# Altium PCB 400501.PcbDoc (part 2 of 4) (continued)
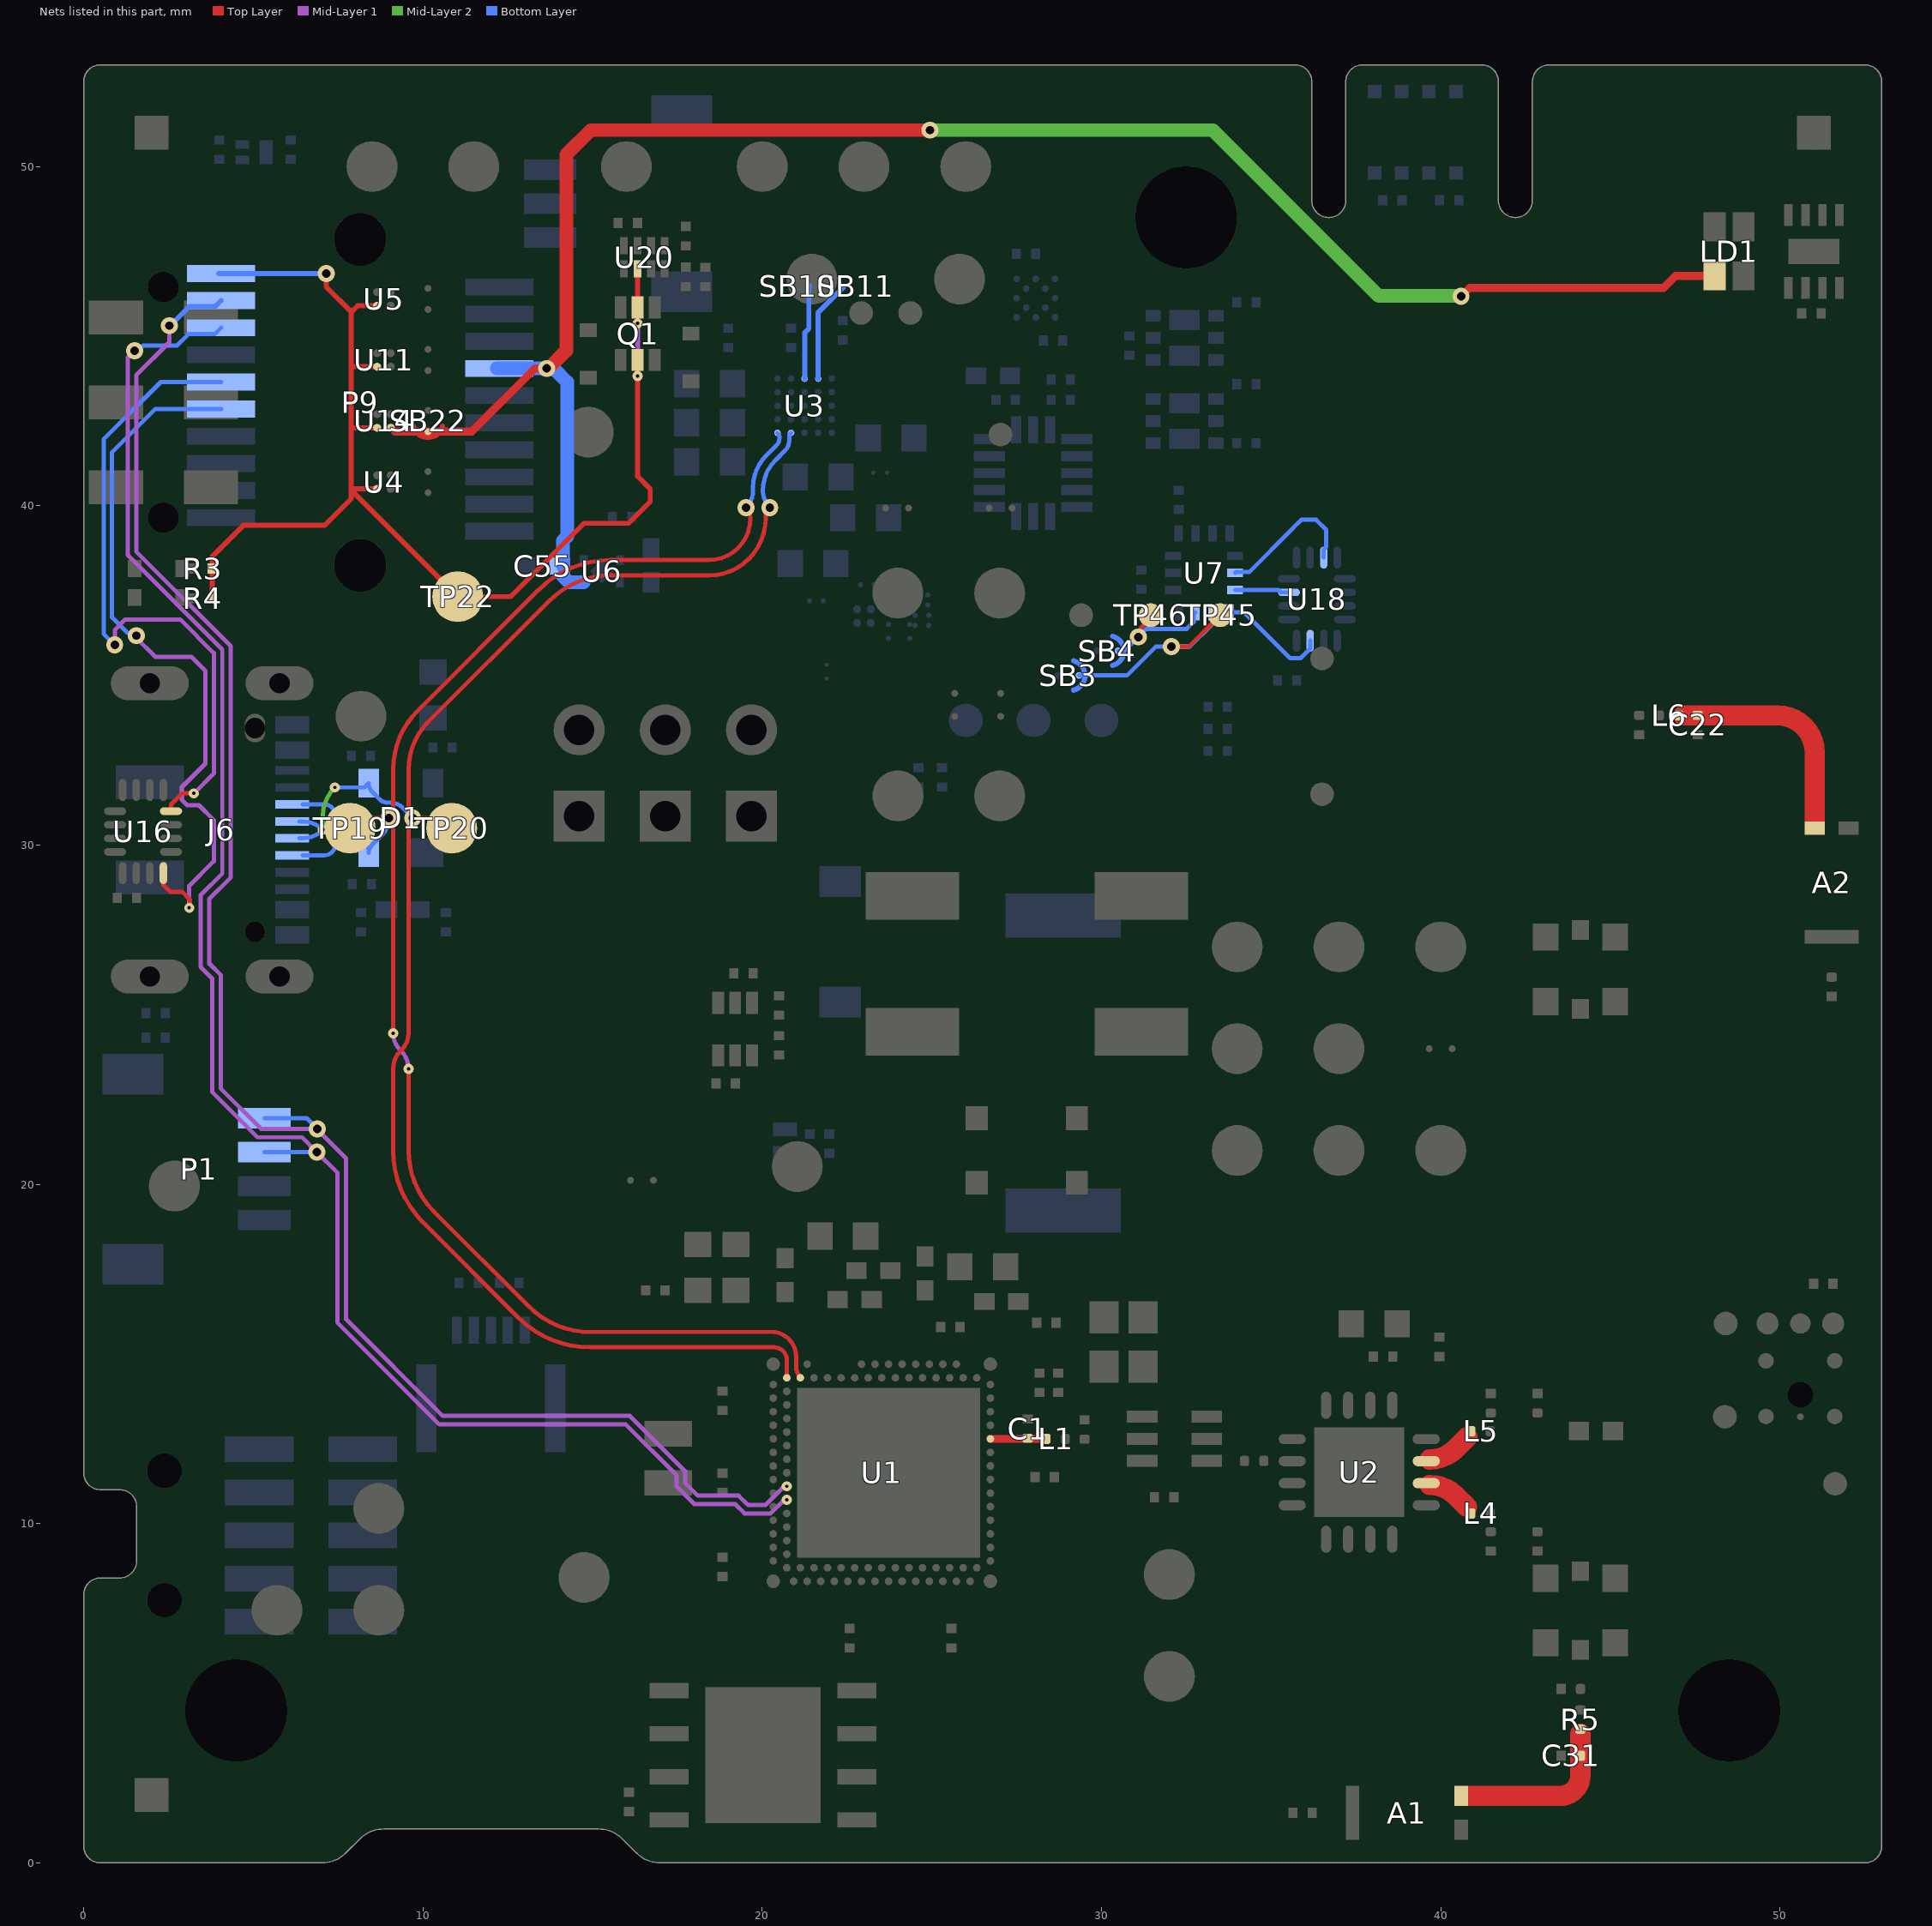
[diagram p4: the nets of this part, all layers, seen from the top]
## Part data (continued)
R48: library part R0201-10M, "Resistor, ±1%, 0.05W", Manufacturer=N.A., Part number IPS=00000001426, Part number NEMS=100100105, Artikkelnr Noca=N.A., Author=rsk, Component Class=Resistors, Component Status=Active, ComponentLink1Description=Datasheet, ComponentLink1URL=N.A., ComponentLink2Description="Supplier link", ComponentLink2URL=N.A., Footprint Doc=0201, HelpURL=N.A., LatestRevisionDate=2014-11-13, Manufacturer Part Number=N.A., Note="Chip Res 1%", Pad Count=2, Part Number=R0201-10M, Part number Norautron=N.A., PartId=100100105, Published=2014-11-13, Supplier 1=N.A., Supplier 2=N.A., Supplier Part Number 1=N.A., Supplier Part Number 2=N.A.
SB1 SB2 SB6 SB7 SB8 SB9 SB10 SB11: library part "Solderbridge Shorted", "Shorted Solderbridge", Manufacturer=N.A., Part number NEMS=100500459, Artikkelnr Noca=N.A., Author=rsk, Component Class=Connectors, Component Status=Active, ComponentLink1Description=Datasheet, ComponentLink1URL=N.A., ComponentLink2Description="Supplier link", ComponentLink2URL=N.A., Footprint Doc=Solderbridge_Shorted, HelpURL=N.A., LatestRevisionDate=2012-08-07, Manufacturer Part Number=N.A., Note=N.A., Pad Count=2, Part Number="Solderbridge Shorted", Part number IPS=N.A., Part number Norautron=N.A., PartId=100500459, Published=2012-08-07, Supplier 1=N.A., Supplier 2=N.A., Supplier Part Number 1=N.A., Supplier Part Number 2=N.A., System=Connector
SB3 SB4 SB5 SB20 SB21 SB22: Manufacturer=N.A., Part number NEMS=100500458, Artikkelnr Noca=N.A., Author=rsk, Component Class=Connectors, Component Status=Active, ComponentLink1Description=Datasheet, ComponentLink1URL=N.A., ComponentLink2Description="Supplier link", ComponentLink2URL=N.A., Footprint Doc=Solderbridge, HelpURL=N.A., LatestRevisionDate=2009-12-14, Manufacturer Part Number=N.A., Note=N.A., Pad Count=2, Part Number=Solderbridge, Part number IPS=N.A., Part number Norautron=N.A., PartId=100500458, Published=2009-12-14, Supplier 1=N.A., Supplier 2=N.A., Supplier Part Number 1=N.A., Supplier Part Number 2=N.A., System=Connector
SW1: library part Switch-Slide-RA-J-Lead-DPDT-8.5x3.5mm_Copal, "SMD slide Switch (ON-ON)", Manufacturer="Copal Electronics Inc", Manufacturer Part Number=CL-SB-22A-11T, Part number IPS=00000007811, Part number NEMS=101500038, Part number Norautron=26470017, Supplier Part Number 1=563-1340-1-ND, Artikkelnr Noca=N.A., Author=rsk, Component Class=Switches, Component Status=Active, ComponentLink1Description=Datasheet, ComponentLink1URL=N.A., ComponentLink2Description="Supplier link", ComponentLink2URL=N.A., Footprint Doc=Switch-Slide-RA-J-Lead-DPDT-8.5x3.5mm, HelpURL=http://www.nidec-copal-electronics.com/e/catalog/switch/cl-sb.pdf, LatestRevisionDate=2017-02-01, Note=N.A., Pad Count=6, Part Number=Switch-Slide-RA-J-Lead-DPDT-8.5x3.5mm_Copal, PartId=101500038, Published=2017-02-01, Supplier 1=Digi-Key, Supplier 2=Avnet, Supplier Part Number 2=CL-SB-22A-11T
SW2: library part "KMT021 NGJ LHS", "Nano-Miniature Top Actuated Tact Switch with extended life 3.0x2.6mm", Manufacturer=C&K, Part number IPS=00000005416, Part number NEMS=101500039, Part number Norautron=N.A., Supplier Part Number 1=CKN10289CT-ND, Artikkelnr Noca=N.A., Author=rsk, Component Class=Switches, Component Status=Active, ComponentLink1Description=Datasheet, ComponentLink1URL=N.A., ComponentLink2Description="Supplier link", ComponentLink2URL=N.A., Footprint Doc=SW_TACTILE_2.6x3.0MM_4-LEAD, HelpURL=http://media.digikey.com/pdf/Data%20Sheets/C&K/KMT_0xx_NGJ_LHS_Drawing.pdf, LatestRevisionDate=2013-08-12, Manufacturer Part Number="KMT021 NGJ LHS", Note=N.A., Pad Count=4, Part Number="KMT021 NGJ LHS", PartId=101500039, Published=2013-08-12, Supplier 1=Digi-Key, Supplier 2=Farnell, Supplier Part Number 2=190-8260
SW3: library part Switch-PB-6.2x6.3mm-SMD, "Tactile Switch, SPNO, SMD, 160gf, 6.2x6.3x2.5mm", Manufacturer=Dailywell, Manufacturer Part Number=TS604VM1-025BR-R, Part number IPS=00000007812, Part number NEMS="101500001, 101500133", Part number Norautron=N.A., Artikkelnr Noca=50019106, Author=rsk, Component Class=Switches, Component Status=Active, ComponentLink1Description=Datasheet, ComponentLink1URL=N.A., ComponentLink2Description="Supplier link", ComponentLink2URL=N.A., Footprint Doc=Switch-PB-6.2x6.3mm-SMD, HelpURL=\\hizz\pro\app9717\Datasheet\switches\Dailywell\TS604VM1-025BR-R.pdf, LatestRevisionDate=2016-04-21, Note=N.A., Pad Count=4, Part Number=Switch-PB-6.2x6.3mm-SMD, PartId=101500001, Published=2010-02-01, Supplier 1=Cabcon, Supplier 2=Mouser, Supplier Part Number 1=TS604VM1-025BR-R, Supplier Part Number 2=688-SKHUALE010
TP1 TP2 TP3 TP4 TP5 TP9 TP10 TP11 TP12 TP13 TP14 TP15 TP16 TP17 TP18 TP19 TP20 TP21 TP22 TP23 TP24 TP25 TP26 TP32 TP33 TP37 TP38 TP39 TP40 TP41 TP42 TP43 TP44: library part TP_SMD_Ø1.5MM, "1.5mm circular SMD testpad", Manufacturer="Nordic Semiconductor", Manufacturer Part Number=N.A., Part number NEMS=100500477, Artikkelnr Noca=N.A., Author=rsk, Component Class=Connectors, Component Status=Active, ComponentLink1Description=Datasheet, ComponentLink1URL=N.A., ComponentLink2Description="Supplier link", ComponentLink2URL=N.A., Footprint Doc=TP_SMD_Ø1.5mm, HelpURL=N.A., LatestRevisionDate=2021-03-05, Note=N.A., Pad Count=1, Part Number=TP_SMD_Ø1.5MM, Part number IPS=N.A., Part number Norautron=N.A., PartId=100500477, Published=2016-06-02, Supplier 1=N.A., Supplier 2=N.A., Supplier Part Number 1=N.A., Supplier Part Number 2=N.A., System=Connector
TP6 TP7 TP8: library part TP_SMD_Ø1.0MM, "1.0mm circular SMD testpad", Manufacturer="Nordic Semiconductor", Manufacturer Part Number=N.A., Part number NEMS=100500475, Artikkelnr Noca=N.A., Author=rsk, Component Class=Connectors, Component Status=Active, ComponentLink1Description=Datasheet, ComponentLink1URL=N.A., ComponentLink2Description="Supplier link", ComponentLink2URL=N.A., Footprint Doc=TP_SMD_Ø1.0mm, HelpURL=N.A., LatestRevisionDate=2021-03-05, Note=N.A., Pad Count=1, Part Number=TP_SMD_Ø1.0MM, Part number IPS=N.A., Part number Norautron=N.A., PartId=100500475, Published=2013-06-11, Supplier 1=N.A., Supplier 2=N.A., Supplier Part Number 1=N.A., Supplier Part Number 2=N.A., System=Connector
TP27 TP28 TP29 TP30 TP31 TP34 TP35 TP36 TP45 TP46 TP47: library part TP_SMD_Ø0.7MM, "0.7mm circular SMD testpad", Manufacturer="Nordic Semiconductor", Manufacturer Part Number=N.A., Part number NEMS=100500474, Artikkelnr Noca=N.A., Author=rsk, Component Class=Connectors, Component Status=Active, ComponentLink1Description=Datasheet, ComponentLink1URL=N.A., ComponentLink2Description="Supplier link", ComponentLink2URL=N.A., Footprint Doc=TP_SMD_Ø0.7mm, HelpURL=N.A., LatestRevisionDate=2021-03-05, Note=N.A., Pad Count=1, Part Number=TP_SMD_Ø0.7MM, Part number IPS=N.A., Part number Norautron=N.A., PartId=100500474, Published=2017-12-14, Supplier 1=N.A., Supplier 2=N.A., Supplier Part Number 1=N.A., Supplier Part Number 2=N.A., System=Connector
U1: library part nRF5340-QKAAD0, "Multi-protocol Bluetooth Low Energy, IEEE 802.15.4, ANT and 2.4GHz proprietary system-on-chip", Manufacturer="Nordic Semiconductor", Part number IPS=N.A., Part number NEMS=102000216, Part number Norautron=NOD26470035, Artikkelnr Noca=N.A., Author=rsk, Component Class=nRF_Devices, Component Status=Active, ComponentLink1Description=Datasheet, ComponentLink1URL=N.A., ComponentLink2Description="Supplier link", ComponentLink2URL=N.A., Footprint Doc=AQFN-98, HelpURL=N.A., LatestRevisionDate=2020-12-02, Manufacturer Part Number=nRF5340-QKAAD0, Note=N.A., Pad Count=98, Part Number=nRF5340-QKAAD0, PartId=102000216, Published=2020-12-02, Supplier 1="Nordic Semiconductor", Supplier 2=N.A., Supplier Part Number 1=nRF5340-QKAAD0, Supplier Part Number 2=N.A.
U2: library part nRF21540-QDAAG0, "Radio front-end / range extender for 2.4GHz", Manufacturer="Nordic Semiconductor", Part number IPS=N.A., Part number NEMS=102000223, Artikkelnr Noca=N.A., Author=hany, Component Class=nRF_Devices, Component Status=Active, ComponentLink1Description=Datasheet, ComponentLink1URL=N.A., ComponentLink2Description="Supplier link", ComponentLink2URL=N.A., Footprint Doc=QFN-16, HelpURL=N.A., LatestRevisionDate=2021-03-24, Manufacturer Part Number=nRF21540-QDAAG00, Note=N.A., Pad Count=16, Part Number=nRF21540-QDAAG0, Part number Norautron=N.A., PartId=102000223, Published=2021-03-24, Supplier 1="Nordic Semiconductor", Supplier 2=N.A., Supplier Part Number 1=nRF21540-QDAAG00, Supplier Part Number 2=N.A.
U3: "Li-Ion/Li-Polymer USB battery charger with a high efficiency buck regulator", Manufacturer="Nordic Semiconductor", Part number IPS=N.A., Part number NEMS=102000247, Artikkelnr Noca=N.A., Author=rubr, Component Class=nRF_Devices, Component Status=Active, ComponentLink1Description=Datasheet, ComponentLink1URL=N.A., ComponentLink2Description="Supplier link", ComponentLink2URL=N.A., Footprint Doc=WLCSP-25, HelpURL=N.A., LatestRevisionDate=2022-01-25, Manufacturer Part Number=nPM1100-CAAAE0, Note=N.A., Pad Count=25, Part Number=nPM1100-CAAAE0, Part number Norautron=N.A., PartId=102000247, Published=2022-01-25, Supplier 1="Nordic Semiconductor", Supplier 2=N.A., Supplier Part Number 1=N.A., Supplier Part Number 2=N.A.
U4 U5 U11 U14 U19: "1.0 A Load Switch IC with Slew Rate Control Driver in Ultra Small Package", Manufacturer=Toshiba, Manufacturer Part Number=TCK106AG,LF, Part number IPS=00000004390, Part number NEMS=101900575, Part number Norautron=26500627, Supplier Part Number 1=TCK106AGLFTR-ND, Artikkelnr Noca=N.A., Author=rsk, Component Class=Misc_ICs, Component Status=Active, ComponentLink1Description=Datasheet, ComponentLink1URL=https://toshiba.semicon-storage.com/info/docget.jsp?did=30131&prodName=TCK106AG, ComponentLink2Description="Supplier link", ComponentLink2URL=N.A., Footprint Doc=WLCSP-4, HelpURL=N.A., LatestRevisionDate=2019-03-01, Note=N.A., Pad Count=4, Part Number=TCK106AG, PartId=101900575, Published=2019-02-17, Supplier 1=Digi-Key, Supplier 2=Mouser, Supplier Part Number 2=757-TCK106AGLF
U6: library part NCP114AMX330TBG, "300 mA CMOS Low Dropout Regulator", Manufacturer="ON Semiconductor", Part number IPS=N.A., Part number NEMS=101900525, Supplier Part Number 1=NCP114AMX330TBGOSCT-ND, Artikkelnr Noca=N.A., Author=rsk, Component Class=Misc_ICs, Component Status=Active, ComponentLink1Description=Datasheet, ComponentLink1URL=http://www.onsemi.com/pub/Collateral/NCP114-D.PDF, ComponentLink2Description="Supplier link", ComponentLink2URL=N.A., Footprint Doc=UDFN-4, HelpURL=N.A., LatestRevisionDate=2018-04-10, Manufacturer Part Number=NCP114AMX330TBG, Note=N.A., Pad Count=4, Part Number=NCP114AMX330TBG, Part number Norautron=N.A., PartId=101900525, Published=2018-04-10, Supplier 1=Digi-Key, Supplier 2=N.A., Supplier Part Number 2=N.A.
U7: "6-axis, smart, low-power, inertial measurement unit", Manufacturer=Bosch, Part number IPS=N.A., Part number NEMS=101900620, Supplier Part Number 1=828-1091-1-ND, Artikkelnr Noca=N.A., Author=rsk, Component Class=Misc_ICs, Component Status=Active, ComponentLink1Description=Datasheet, ComponentLink1URL=https://www.bosch-sensortec.com/media/boschsensortec/downloads/datasheets/bst-bmi270-ds000.pdf, ComponentLink2Description="Supplier link", ComponentLink2URL=https://www.bosch-sensortec.com/products/motion-sensors/imus/bmi270.html, Footprint Doc=LGA-14, HelpURL=https://www.bosch-sensortec.com/media/boschsensortec/downloads/datasheets/bst-bmi270-ds000.pdf, LatestRevisionDate=2021-08-03, Manufacturer Part Number=BMI270, Note=N.A., Pad Count=14, Part Number=BMI270, Part number Norautron=N.A., PartId=101900620, Published=2020-07-07, Supplier 1=Digi-Key, Supplier 2=Mouser, Supplier Part Number 2=262-BMI270
U8: "Micropower, 3-Axis, ±2 g/±4 g/±8 g Digital Output MEMS Accelerometer", Manufacturer="Analog Devices", Part number IPS=00000001799, Part number NEMS=101900573, Part number Norautron=N.A., Supplier Part Number 1=ADXL362BCCZ-RL7CT-ND, Artikkelnr Noca=N.A., Author=rsk, Component Class=Misc_ICs, Component Status=Active, ComponentLink1Description=Datasheet, ComponentLink1URL=http://www.analog.com/media/en/technical-documentation/data-sheets/ADXL362.pdf, ComponentLink2Description="Supplier link", ComponentLink2URL=http://www.analog.com/en/products/adxl362.html, Footprint Doc=LGA-16, HelpURL=https://www.analog.com/media/en/technical-documentation/data-sheets/ADXL362.pdf, LatestRevisionDate=2019-01-11, Manufacturer Part Number=ADXL362, Note=N.A., Pad Count=16, Part Number=ADXL362, PartId=101900573, Published=2019-01-11, Supplier 1=Digi-Key, Supplier 2=Mouser, Supplier Part Number 2=584-ADXL362BCCZ-R7
U9: "Low power gas, pressure, temperature & humidity sensor", Manufacturer=Bosch, Part number IPS=N.A., Part number NEMS=101900619, Artikkelnr Noca=N.A., Author=rsk, Component Class=Misc_ICs, Component Status=Active, ComponentLink1Description=Datasheet, ComponentLink1URL=https://ae-bst.resource.bosch.com/media/_tech/media/datasheets/BST-BME680-DS001-00.pdf, ComponentLink2Description="Supplier link", ComponentLink2URL=N.A., Footprint Doc=LGA-8, HelpURL=N.A., LatestRevisionDate=2020-07-07, Manufacturer Part Number=BME688, Note=N.A., Pad Count=8, Part Number=BME688, Part number Norautron=N.A., PartId=101900619, Published=2020-07-07, Supplier 1=Digi-Key, Supplier 2=N.A., Supplier Part Number 1=N.A., Supplier Part Number 2=N.A.
U10: "Digital 16bit Serial Output Type Color Sensor IC", Manufacturer="Rohm Semiconductor", Part number IPS=00000001801, Part number NEMS=101900572, Part number Norautron=N.A., Supplier Part Number 1=BH1749NUC-E2CT-ND, Artikkelnr Noca=N.A., Author=rsk, Component Class=Misc_ICs, Component Status=Active, ComponentLink1Description=Datasheet, ComponentLink1URL=N.A., ComponentLink2Description="Supplier link", ComponentLink2URL=N.A., Footprint Doc=WSON-8, HelpURL=https://www.rohm.com/datasheet/BH1749NUC/bh1749nuc-e, LatestRevisionDate=2019-01-11, Manufacturer Part Number=BH1749NUC, Note=N.A., Pad Count=8, Part Number=BH1749NUC, PartId=101900572, Published=2019-01-11, Supplier 1=Digi-Key, Supplier 2=Mouser, Supplier Part Number 2=755-BH1749NUC-E2
U12: "3-axis geomagnetic sensor", Manufacturer=Bosch, Part number IPS=N.A., Part number NEMS=101900621, Supplier Part Number 1=828-1044-1-ND, Artikkelnr Noca=N.A., Author=rsk, Component Class=Misc_ICs, Component Status=Active, ComponentLink1Description=Datasheet, ComponentLink1URL=https://www.bosch-sensortec.com/media/boschsensortec/downloads/datasheets/bst-bmm150-ds001.pdf, ComponentLink2Description="Supplier link", ComponentLink2URL=https://www.bosch-sensortec.com/products/motion-sensors/magnetometers-bmm150/, Footprint Doc=WLCSP-12, HelpURL=https://www.bosch-sensortec.com/media/boschsensortec/downloads/datasheets/bst-bmm150-ds001.pdf, LatestRevisionDate=2020-07-07, Manufacturer Part Number=BMM150, Note=N.A., Pad Count=12, Part Number=BMM150, Part number Norautron=N.A., PartId=101900621, Published=2020-07-07, Supplier 1=Digi-Key, Supplier 2=Mouser, Supplier Part Number 2=262-BMM150
U13: library part VM3011AB, "Low-Noise PDM Digital Piezoelectric MEMS Microphone with ZeroPower Listening", Manufacturer=Vesper, Part number IPS=N.A., Part number NEMS=101900623, Part number Norautron=26470039, Artikkelnr Noca=N.A., Author=rsk, Component Class=Misc_ICs, Component Status=Active, ComponentLink1Description=Datasheet, ComponentLink1URL=N.A., ComponentLink2Description="Supplier link", ComponentLink2URL=N.A., Footprint Doc=VM3011, HelpURL=N.A., LatestRevisionDate=2022-02-02, Manufacturer Part Number=VM3011AB, Note=N.A., Pad Count=8, Part Number=VM3011AB, PartId=101900768, Published=2020-02-02, Supplier 1=Digi-Key, Supplier 2=N.A., Supplier Part Number 1=N.A., Supplier Part Number 2=N.A.
U15: library part MX25R6435FZNIL0, "Ultra low power, 64M-bit, serial multi I/O flash memory", Manufacturer=Macronix, Part number IPS=00000004370, Part number NEMS=101900438, Part number Norautron=N.A., Artikkelnr Noca=15020015, Author=rsk, Component Class=Misc_ICs, Component Status=Active, ComponentLink1Description=Datasheet, ComponentLink1URL=N.A., ComponentLink2Description="Supplier link", ComponentLink2URL=N.A., Footprint Doc=WSON-8, HelpURL=https://www.macronix.com/Lists/Datasheet/Attachments/7913/MX25R6435F,%20Wide%20Range,%2064Mb,%20v1.5.pdf, LatestRevisionDate=2021-02-26, Manufacturer Part Number=MX25R6435FZNIL0, Note=N.A., Pad Count=8, Part Number=MX25R6435FZNIL0, PartId=101900438, Published=2016-06-29, Supplier 1=Future, Supplier 2=Arrow, Supplier Part Number 1=MX25R6435FZNIL0, Supplier Part Number 2=MX25R6435FZNIL0
U16 U18: "Data / Audio Low-Voltage Dual DPDT Analog Switch", Manufacturer="ON Semiconductor", Part number IPS=00000009986, Part number NEMS=101900422, Part number Norautron=26500608, Supplier Part Number 1=FSA2466UMXCT-ND, Artikkelnr Noca=15070069, Author=rsk, Component Class=Misc_ICs, Component Status=Active, ComponentLink1Description=Datasheet, ComponentLink1URL=N.A., ComponentLink2Description="Supplier link", ComponentLink2URL=N.A., Footprint Doc=UFQFN-16, HelpURL=https://www.onsemi.com/pub/Collateral/FSA2466-D.PDF, LatestRevisionDate=2019-05-15, Manufacturer Part Number=FSA2466UMX, Note=N.A., Pad Count=16, Part Number=FSA2466UMX, PartId=101900422, Published=2016-05-18, Supplier 1=Digi-Key, Supplier 2=Mouser, Supplier Part Number 2=512-FSA2466UMX
U17: library part PE4259G-06SC70, "SPDT High Power UltraCMOS® 10 MHz–3.0 GHz RF Switch", Manufacturer=pSemi, Manufacturer Part Number=4259-63, Part number IPS=N.A., Part number NEMS=101900641, Supplier Part Number 1=1046-1011-1-ND, Artikkelnr Noca=N.A., Author=rsk, Component Class=Misc_ICs, Component Status=Active, ComponentLink1Description=Datasheet, ComponentLink1URL=https://www.psemi.com/pdf/datasheets/pe4259ds.pdf, ComponentLink2Description="Supplier link", ComponentLink2URL=https://www.digikey.com/en/products/detail/psemi/4259-63/2614473, Footprint Doc=SC70-6, HelpURL=N.A., LatestRevisionDate=2021-01-08, Note=N.A., Pad Count=6, Part Number=PE4259G-06SC70, Part number Norautron=N.A., PartId=101900641, Published=2021-01-08, Supplier 1=Digi-Key, Supplier 2=N.A., Supplier Part Number 2=N.A.
U20: "Ultra-small Dual 17 mΩ, 2.5 A Load Switc with Discharge", Manufacturer="Dialog Semiconductor", Part number IPS=N.A., Part number NEMS=101900739, Supplier Part Number 1=1827-1061-1-ND, Artikkelnr Noca=N.A., Author=masi, Component Class=Misc_ICs, Component Status=Active, ComponentLink1Description=Datasheet, ComponentLink1URL=https://www.renesas.com/us/en/document/dst/slg59m1448v-datasheet?language=en, ComponentLink2Description="Supplier link", ComponentLink2URL=N.A., Footprint Doc=STDFN-8, HelpURL=https://www.dialog-semiconductor.com/products/slg59m1448v, LatestRevisionDate=2022-12-14, Manufacturer Part Number=SLG59M1448V, Note=N.A., Pad Count=8, Part Number=SLG59M1448V, Part number Norautron=N.A., PartId=101900739, Published=2022-12-14, Supplier 1=Digi-Key, Supplier 2=N.A., Supplier Part Number 2=N.A.
X1: library part XRCGB32M000F1S1BR0, "XTAL SMD 2016, 32MHz, Cl=8pF, Tol: ±10ppm, Stab: ±10ppm", Manufacturer=Murata, Part number IPS=N.A., Part number NEMS=101600092, Artikkelnr Noca=N.A., Author=rsk, Component Class=Oscillators, Component Status=Active, ComponentLink1Description=Datasheet, ComponentLink1URL=N.A., ComponentLink2Description="Supplier link", ComponentLink2URL=N.A., Footprint Doc=XTAL_2016, HelpURL=\\hizz\pro\app9717\Datasheet\crystals\Murata\XRCGB32M000F1S1BR0.pdf, LatestRevisionDate=2020-10-01, Manufacturer Part Number=XRCGB32M000F1S1BR0, Note="XTAL SMD 32.000MHz", Pad Count=4, Part Number=XRCGB32M000F1S1BR0, Part number Norautron=N.A., PartId=101600092, Published=2020-10-01, Supplier 1=Murata, Supplier 2=N.A., Supplier Part Number 1=N.A., Supplier Part Number 2=N.A.
X2: library part XTAL_SMD2012_32.768kHz_9pF_MC, "XTAL SMD 2012, 32.768kHz, 9pF, ±20ppm", Manufacturer="Micro Crystal", Manufacturer Part Number="CM8V-T1A 32.768KHZ 9PF +/-20PPM TA QC", Part number IPS=00000007828, Part number NEMS=101600016, Part number Norautron=N.A., Supplier Part Number 1=70417961, Artikkelnr Noca=N.A., Author=rsk, Component Class=Oscillators, Component Status=Active, ComponentLink1Description=Datasheet, ComponentLink1URL=N.A., ComponentLink2Description="Supplier link", ComponentLink2URL=N.A., Footprint Doc=XTAL_2012, HelpURL=http://www.microcrystal.com/images/_PDF/3_Crystal_Ceramic-Package/cm8v-t1a.pdf, LatestRevisionDate=2017-01-30, Note="XTAL SMD 32.768kHz", Pad Count=2, Part Number=XTAL_SMD2012_32.768kHz_9pF_MC, PartId=101600016, Published=2016-09-15, Supplier 1=Allied, Supplier 2=N.A., Supplier Part Number 2=N.A.

## Free pads (board coordinates)
  round 0.35 on Mech16: 1(20.725,8.7) 1(20.725,9.1) 1(20.725,9.5) 1(20.725,9.9) 1(20.725,10.3) 1(20.725,10.7) 1(20.725,11.1) 1(20.725,11.9) 1(20.725,12.3) 1(21.125,8.7) 1(21.25,43.35) 1(21.525,8.7) 1(21.65,43.35) 1(21.925,8.7) 1(22.325,8.7) 1(22.725,8.7) 1(23.125,8.7) 1(23.125,14.3) 1(23.525,8.7) 1(23.525,14.3) 1(23.725,14.7) 1(23.925,8.7) 1(23.925,14.3) 1(24.325,8.7) 1(24.325,14.3) 1(24.725,8.7) 1(24.725,14.3) 1(25.125,8.7) 1(25.125,14.3) 1(25.525,8.7) 1(25.925,8.7) 1(26.325,8.7)

## Via types
v1: diameter 0.5, hole 0.25, Top Layer to Bottom Layer, tented both sides, 843 vias
v2: diameter 0.3, hole 0.1, Top Layer to Mid-Layer 1, tented both sides, 281 vias
v3: diameter 0.3, hole 0.1, Mid-Layer 2 to Bottom Layer, tented both sides, 34 vias

## Nets (pads, with @x,y where several pads share a name; then routed paths per layer and width w, separated by ;. In a path a pad name is that pad's centre, name@x,y a point inside that pad or via, vN(x,y) a via of type N, cw(c..) or ccw(c..) an arc to the next point about the centre after c; other vN are vias at no path point)
3V3: C55.1 LD1.4 P9.14 SB22.2 U6.1 U14.A2 | length 56.8
  Top Layer w0.15: U14.A2@9.05,42.3 U14.A2@9.068,42.3
  Top Layer w0.235: U14.A2@9.068,42.3 9.18,42.188 9.797,42.188 SB22.2@10.15,42.188 10.503,42.188 11.438,42.188 13.296,44.046 13.671,44.046 v1@13.675,44.05 ; v1(40.6,46.175) 40.848,46.423 46.57,46.423 46.922,46.775 LD1.4@48.075,46.775
  Top Layer w0.4: v1@13.7,44.05 14.225,44.575 14.225,50.35 14.95,51.075 v1(24.945,51.075)
  Mid-Layer 2 w0.4: v1(24.945,51.075) 33.284,51.075 38.171,46.187 40.588,46.187 v1(40.6,46.175)
  Bottom Layer w0.4: P9.14@12.175,44.05 v1(13.65,44.05) v1@13.675,44.05 ; v1@13.7,44.05 v1@13.675,44.05 ; 14.125,37.925 14.3,37.75 U6.1@14.74,37.75 ; C55.1@14.125,38.225 14.125,38.975 14.25,39.1 14.25,43.65 13.869,44.031 13.694,44.031 v1@13.675,44.05
A1: A1.1 C31.2 R5.2 | length 5
  Top Layer w0.6: A1.1@40.709,1.975 43.517,1.975 ccw(c43.517,2.575) 44.117,2.575 44.117,3.805
A2: A2.1 C22.2 L6.2 | length 6.6
  Top Layer w0.6: 47.145,33.825 49.925,33.825 cw(c49.925,32.725) 51.025,32.725 A2.1@51.025,30.605
ANT: C1.2 L1.2 U1.L31 | length 1.6
  Top Layer w0.225: U1.L31@26.725,12.5 L1.2@28.365,12.5
ANT1: L4.1 U2.2 | length 1.3
  Top Layer w0.6: U2.2@39.672,11.142 cw(c39.672,10.05) 40.444,10.822 40.77,10.495
ANT2: L5.1 U2.3 | length 1.3
  Top Layer w0.6: U2.3@39.672,11.892 ccw(c39.672,12.983) 40.443,12.211 40.778,12.547
ASCL: SB4.1 TP46.1 U7.3 | length 3.7
  Top Layer w0.125: v1(31.085,36.135) 31.156,36.206 31.156,36.397 31.45,36.69 TP46.1@31.45,36.775
  Bottom Layer w0.125: SB4.1@30.487,35.725 30.662,35.725 30.675,35.725 v1(31.085,36.135) 31.325,36.375 32.512,36.375 32.713,36.575 32.713,36.8 U7.3@32.775,36.862
ASDA: SB3.1 TP45.1 U7.2 | length 6.7
  Top Layer w0.125: v1(32.064,35.85) 32.575,35.85 TP45.1@33.5,36.775
  Bottom Layer w0.125: SB3.1@29.337,35 29.512,35 30.75,35 31.6,35.85 v1(32.064,35.85) 32.6,35.85 33.261,36.511 33.261,36.848 U7.2@33.275,36.862
BMI_MISO: U7.1 U18.15 | length 3.3
  Bottom Layer w0.125: U7.1@33.775,36.862 34.206,36.862 35.556,35.512 35.873,35.512 36.048,35.687 36.048,35.689 36.15,35.792 U18.15@36.15,36.025
BMI_MOSI: U7.14 U18.3 | length 1.6
  Bottom Layer w0.125: U7.14@33.937,37.525 35.209,37.525 35.284,37.45 U18.3@35.525,37.45
BMI_SCK: U7.13 U18.7 | length 4.3
  Bottom Layer w0.125: U7.13@33.938,38.025 33.969,38.056 34.363,38.056 35.633,39.327 35.633,39.331 35.889,39.588 36.327,39.588 36.625,39.289 36.625,38.791 36.55,38.716 U18.7@36.55,38.475
CHG: SB11.2 U3.E4 | length 3
  Bottom Layer w0.15: U3.E4@21.65,43.75 21.65,45.7 22.4,46.45
D_N: D1.2 J6.5 J6.8 TP19.1 U1.B4 U3.A1 | length 50.3
  Top Layer w0.125: TP19.1@7.85,30.5 8.15,30.8 v1(9,30.8) ; v2(9.122,24.45) 9.122,30.505 ccw(c8.705,30.505) v1(9,30.8) ; v2(9.575,23.4) 9.575,21.002 ccw(c12.115,21.002) 10.319,19.206 13.131,16.394 ccw(c14.927,18.19) 14.927,15.65 20.275,15.65 cw(c20.275,14.925) 21,14.925 21,14.623 ccw(c21.437,14.623) U1.B4@21.128,14.314 ; v1(9,30.8) ccw(c8.702,31.098) 9.124,31.098 9.124,32.233 cw(c11.553,32.233) 9.835,33.95 13.408,37.523 cw(c15.524,35.407) 15.524,38.4 18.424,38.4 ccw(c18.424,39.625) 19.649,39.625 19.649,39.652 ccw(c19.227,39.652) v1@19.528,39.947 ; v1@19.528,39.947 ccw(c19.227,39.652) v1(19.525,39.95) v1@19.528,39.947
  Mid-Layer 1 w0.125: v2@9.122,24.45 ccw(c9.787,24.45) 9.317,23.98 9.347,23.95 cw(c8.797,23.4) v2(9.575,23.4)
  Bottom Layer w0.125: J6.5@6.45,29.7 7.084,29.7 ccw(c7.084,30.041) 7.325,29.8 ccw(c7.084,30.041) 7.425,30.041 cw(c7.868,30.041) 7.555,30.355 7.65,30.45 ; J6.8@6.45,31.2 7.084,31.2 cw(c7.084,30.859) 7.325,31.1 cw(c7.084,30.859) 7.425,30.859 ccw(c7.868,30.859) 7.555,30.545 7.65,30.45 ; D1.2@8.382,29.918 7.969,30.331 ccw(c7.682,30.044) 7.682,30.45 7.65,30.45 ; D1.2@8.4,29.775 cw(c8.702,29.775) 8.488,29.988 8.788,30.288 ccw(c8.276,30.8) v1(9,30.8) ; v1(19.525,39.95) ccw(c19.03,40.445) 19.73,40.445 19.73,40.547 cw(c21.053,40.547) 20.117,41.482 20.428,41.793 ccw(c20.242,41.979) 20.505,41.979 20.505,42.049 ccw(c20.411,42.049) 20.478,42.115 20.45,42.142 U3.A1@20.45,42.15
D_P: D1.3 J6.6 J6.7 TP20.1 U1.B2 U3.A2 | length 50.6
  Top Layer w0.125: TP20.1@10.85,30.5 10.55,30.8 v1(9.7,30.8) ; v1(20.225,39.95) ccw(c20.523,39.652) 20.101,39.652 20.101,39.625 cw(c18.424,39.625) 18.424,37.947 15.524,37.947 ccw(c15.524,35.407) 13.728,37.203 10.155,33.63 ccw(c11.553,32.233) 9.576,32.233 9.576,31.098 ccw(c9.998,31.098) v1(9.7,30.8) ; U1.B2@20.725,14.3 20.726,14.825 ccw(c20.354,14.825) 20.354,15.197 14.927,15.197 cw(c14.927,18.19) 12.811,16.074 9.999,18.886 cw(c12.115,21.002) 9.122,21.002 9.122,23.4 cw(c9.9,23.4) 9.35,23.95 9.38,23.98 ccw(c8.91,24.45) 9.575,24.45 9.575,30.498 cw(c10.002,30.498) v1(9.7,30.8)
  Mid-Layer 2 w0.125: v3(7.05,30.45) 7.05,30.855 cw(c8.245,30.855) v3(7.4,31.7)
  Bottom Layer w0.125: J6.6@6.35,30.2 6.446,30.2 ccw(c6.446,31.054) v3(7.05,30.45) ccw(c6.446,29.846) 6.446,30.7 J6.7@6.35,30.7 ; v3(7.4,31.7) 8.275,31.7 D1.3@8.4,31.825 ccw(c8.762,31.825) 8.506,31.569 8.725,31.35 ccw(c8.955,31.58) 8.931,31.256 ccw(c8.945,31.42) 8.959,31.256 cw(c9,30.8) 9.051,31.255 cw(c9,30.8) 9.085,31.25 ccw(c9.116,31.412) 9.099,31.247 cw(c9.05,30.767) 9.391,31.109 v1(9.7,30.8) ; v1(20.225,39.95) cw(c20.72,40.445) 20.02,40.445 cw(c21.299,40.445) 20.395,41.349 20.676,41.63 ccw(c20.387,41.919) 20.795,41.919 20.795,42.049 cw(c20.889,42.049) 20.823,42.115 20.85,42.142 U3.A2@20.85,42.15
DBG.PIN5: P9.5 U16.16 | length 21.8
  Top Layer w0.125: U16.16@2.35,29.175 2.35,28.825 2.55,28.625 2.9,28.625 3.128,28.397 3.128,28.166 v2(3.112,28.15)
  Mid-Layer 1 w0.125: v1(1.55,36.175) 1.55,36.114 2.114,35.55 3.175,35.55 3.588,35.137 3.588,32.4 2.894,31.706 2.894,31.329 3.048,31.175 3.4,31.175 3.838,30.737 3.838,29.525 3.112,28.8 v2(3.112,28.15)
  Bottom Layer w0.125: v1(1.55,36.175) 1.449,36.175 1.374,36.25 1.3,36.25 0.837,36.713 0.837,41.581 2.106,42.85 P9.5@4.05,42.85
DBG.PIN6: P9.6 U16.4 | length 19.6
  Top Layer w0.125: U16.4@2.575,31 2.575,31.2 2.9,31.525 v2(3.25,31.525)
  Mid-Layer 1 w0.125: v1(0.916,35.9) 0.925,35.909 0.925,36.35 1.225,36.65 2.846,36.65 3.838,35.659 3.838,32.113 v2(3.25,31.525)
  Bottom Layer w0.125: v1(0.916,35.9) 0.587,36.229 0.587,41.962 2.275,43.65 P9.6@4.05,43.65
EN: P9.10 Q1.2 Q1.5 R3.1 R4.1 TP22.1 U4.B2 U5.B2 U11.B2 U14.B2 U20.2 | length 38.1
  Top Layer w0.15: R4.1@3.789,37.275 3.789,38.146 R3.1@3.785,38.15 3.785,38.5 4.71,39.425 7.1,39.425 7.887,40.213 7.887,40.463 ; v1(7.15,46.85) 7.15,46.45 7.887,45.712 ; U4.B2@8.65,40.477 U4.B2@8.65,40.5 7.888,40.5 ; U14.B2@8.65,42.3 7.887,42.3 ; U11.B2@8.65,44.1 7.887,44.1 ; U5.B2@8.65,45.9 8.075,45.9 7.887,45.713 ; v2(16.325,45.375) 16.327,45.377 16.327,45.848 Q1.2@16.329,45.85 16.327,45.852 16.327,46.983 U20.2@16.325,46.985 ; Q1.5@16.329,44.3 v2(16.329,43.825) 16.329,40.871 16.7,40.5 16.7,40.125 16.06,39.485 14.746,39.485 12.586,37.325 TP22.1@11.025,37.325 7.887,40.463 ; 7.887,40.463 7.887,40.5 ; 7.887,40.5 7.887,42.3 ; 7.887,42.3 7.887,44.1 ; 7.887,44.1 7.887,45.712
  Mid-Layer 1 w0.15: v2(16.325,45.375) 16.329,45.371 v2(16.329,43.825)
  Bottom Layer w0.15: P9.10@3.975,46.85 v1(7.15,46.85)
ERR: SB10.2 U3.E3 | length 2.8
  Bottom Layer w0.15: U3.E3@21.25,43.75 21.25,45.1 21.375,45.225 21.375,46.45 SB10.2@21.4,46.475
EXP_BOARD_PIN1: P1.3 P9.8 U1.Y2 | length 52.9
  Mid-Layer 1 w0.125: v1(1.5,44.575) 1.3,44.375 1.3,38.55 4.088,35.762 4.088,29.163 3.45,28.525 3.45,26.409 3.787,26.071 3.787,22.727 5.127,21.387 6.438,21.387 v1(6.875,20.95) 7.475,20.35 7.475,15.931 10.481,12.925 15.975,12.925 17.475,11.425 17.475,11.1 18,10.575 19.203,10.575 19.478,10.3 20.248,10.3 20.648,10.7 v2(20.725,10.7)
  Bottom Layer w0.125: v1(1.5,44.575) 1.601,44.575 1.751,44.725 2.75,44.725 3.087,45.062 3.863,45.062 P9.8@4.05,45.25 ; P1.3@5.325,20.95 v1(6.875,20.95)
EXP_BOARD_PIN2: P1.4 P9.9 U1.V2 | length 53
  Mid-Layer 1 w0.125: v1(2.528,45.313) 2.525,45.313 2.525,44.825 1.55,43.85 1.55,38.654 4.338,35.866 4.338,29.05 3.7,28.412 3.7,26.512 4.037,26.175 4.037,22.83 5.23,21.638 v1(6.887,21.638) 6.887,21.613 7.737,20.763 7.737,16.022 10.585,13.175 16.1,13.175 17.725,11.55 17.725,11.204 18.103,10.825 19.307,10.825 19.582,10.55 20.098,10.55 20.648,11.1 v2(20.725,11.1)
  Bottom Layer w0.125: P1.4@5.325,21.95 6.575,21.95 v1(6.887,21.638)
  Bottom Layer w0.15: v1(2.528,45.313) 2.55,45.313 3.112,45.875 3.875,45.875 P9.9@4.05,46.05